# Allegro board RK_NVR_DEMO_RK3568_DDR4P216SD4_V12_20201221YWQ_final.brd (continued)
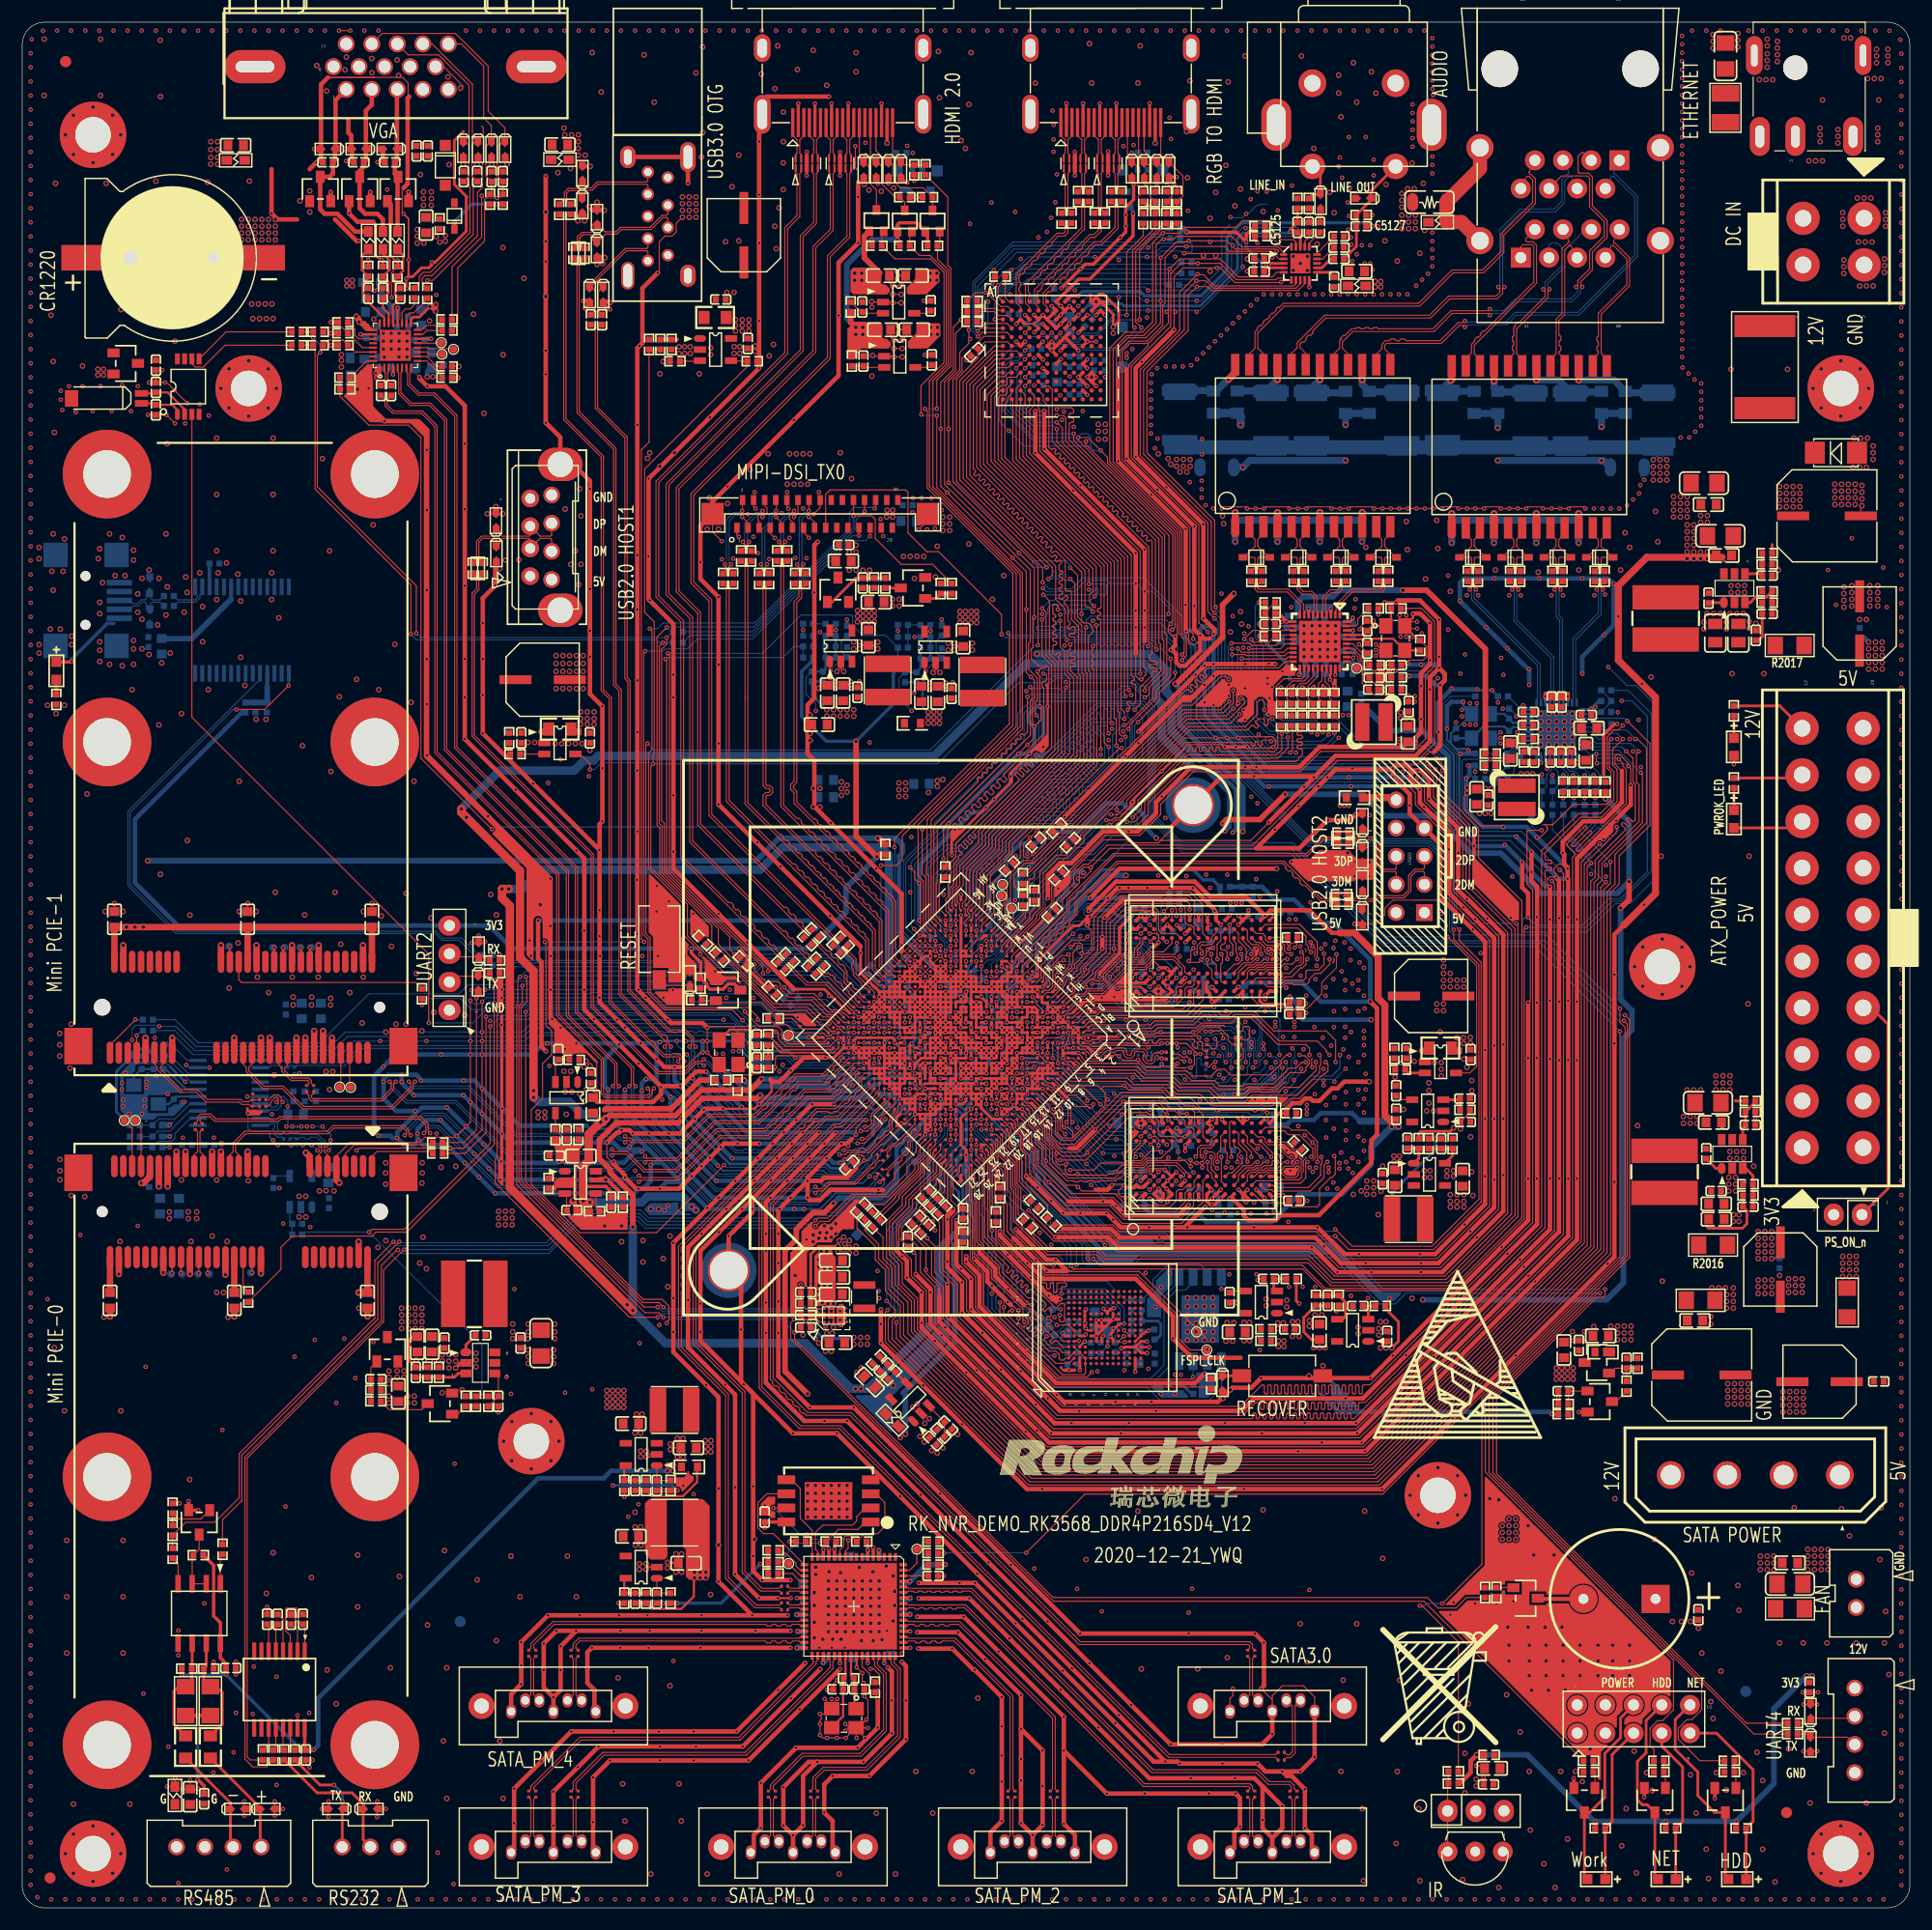
[diagram p0: board, top side]
## Routing (per net, layer and track width the routed paths; a pad name or vN(x,y) marks a point on that pad's centre or on a via; arc(x,y) is an arc through that point) (continued)
  BOTTOM w0.305: v1(104.14,68.15) 104.14,68.59 103.75,68.98 103.75,69.01 103.83,69.09 104.29,69.09 104.74,69.54 v1(104.79,69.54) 104.85,69.6 C3317.2 105.72,69.6 106.12,70 106.12,70.52 106.19,70.59 106.19,70.94 105.99,71.14 v1(105.99,71.19) ; v1(94.34,48.46) 94.19,48.61 C4009.2 ; 97.89,66.34 v1(98.48,66.34) 99.28,66.34 v1(99.58,66.04) ; v1(99.88,84.34) 99.59,84.63 99.59,84.82 99.09,85.32 ; C3343.2 101.69,72.3 101.69,72.05 v1(101.6,71.96) ; v1(101.59,83.82) 101.58,83.83 ; v1(91.94,83.03) 91.94,83.03 92.49,83.58 92.49,84.83 92.54,84.88 92.54,84.99 92.49,85.04 92.49,85.94 92.59,86.04 93.69,87.14 ; v1(103.92,81.84) 103.7,81.62 102.09,81.62 ; U3300.D2 v1(103.19,83.02) 103.59,83.42 ; 101.78,86.62 101.99,86.62 v1(102.39,87.02) ; 81.82,72.93 C1718.2
  BOTTOM w0.406: v1(74.42,68.68) 74.22,68.88 v1(72.29,68.88) v1(70.76,68.88) v1(69.34,68.88) v1(67.61,68.88) v1(64.47,68.88) v1(61.42,71.93) v1(59.28,74.07) 58.78,74.57 v1(58.78,75.79) ; v1(35.71,69.19) 36.12,68.78 38.25,68.78 v1(38.56,68.48) v1(39.88,67.16) v1(42.62,64.41) v1(49.83,64.41) 55.12,64.41 v1(55.52,64.82) 55.93,64.82 ; v1(35.71,69.19) 35.61,69.29 v1(35.61,69.8) 35.61,70.21 36.42,71.02 v1(37.68,71.02) v1(39.14,69.56) v1(40.72,67.98) v1(42.06,66.64) v1(43.07,65.63) v1(48.01,65.63) v1(49.78,65.63) v2(52.58,65.63) 54.1,65.63 v1(54.31,65.84) ; v1(35.71,69.19) 35.31,68.78 34.39,68.78 v1(33.78,69.39) ; 59.39,65.43 58.06,65.43 v1(57.45,64.82) 55.93,64.82 ; 59.39,65.43 v1(59.59,65.23) v1(61.72,63.09) 61.82,62.99 v1(63.45,62.99) v1(64.87,62.99) v1(65.79,62.99) v1(67.01,62.99) v1(68.22,62.99) v1(69.55,62.99) v1(70.46,62.99) ; 59.39,65.43 57.66,67.16 ; v1(106.14,114.71) 105.72,115.13 104.91,115.13 v1(104.86,115.07) ; v1(106.14,114.71) 106.53,114.32 v1(106.53,111.96) v1(106.53,108.66) 106.53,107.49 v1(108.56,105.46) v1(109.37,104.65) v1(111.2,102.82) 112.12,101.9 v1(116.38,101.9) v1(119.53,101.9) v1(123.49,101.9) 124.82,101.9 125.43,102.51 v1(125.73,102.51) 126.03,102.51 126.34,102.21 126.34,101.7 125.73,101.09 v1(119.74,101.09) v1(116.79,101.09) v1(112.32,101.09) 111.91,101.09 v1(111,102.01) v1(110.19,102.82) v1(108.36,104.65) v1(107.54,105.46) ; v1(106.14,114.71) 106.14,115.23 106.43,115.52 107.14,115.52 107.34,115.32 v1(107.34,114.81) v1(107.34,112.12) v1(107.34,111.05) v1(107.34,108.41) 107.34,107.7 v1(109.58,105.46) v1(110.39,104.65) 112.32,102.72 v1(119.84,102.72) v1(123.49,102.72) ; v1(105.99,82.14) 106.04,82.14 106.45,82.54 C3319.2 ; 55.93,64.82 56.64,65.53 v1(56.64,66.95) 56.85,67.16 57.66,67.16 ; 76.66,69.7 76.66,70.33 C1719.2 77.31,70.63 v1(77.77,71.09) ; 71.68,65.53 v1(70.76,65.53) v1(68.94,65.53) 67.51,65.53 v1(67.46,65.58) 67.41,65.53 v1(65.99,65.53) v1(62.53,65.53) v1(58.27,69.8) 55.82,72.25 v1(55.82,73.66) 55.82,74.31 v1(56.22,74.72) 56.8,74.72 57.15,74.37 ; v1(102.69,90.87) 102.53,91.03 97.66,91.03 ; v1(107.22,82.99) 107.07,82.99 106.75,82.67 C3319.2 ; 54.51,68.38 55.63,68.38 v1(55.83,68.17) ; 54.51,68.38 53.87,68.38 53.26,68.99 v1(52.68,68.99) 44.02,68.99 v1(43.22,69.79) v1(40.38,72.63) v1(39.76,73.25) v1(35.31,73.25) 34.19,74.37 v1(34.19,74.47) v1(34.19,75.08) ; 54.51,68.38 v1(54.74,68.61) 54.74,68.68 55.14,69.08 55.14,69.68 ; 57.15,77.93 v1(57.15,76.5) 57.15,74.37 ; 57.15,77.93 57.25,78.03 v1(57.45,78.03) ; 57.15,77.93 v1(55.73,77.93) 53.9,77.93 v1(53.8,77.83) ; v1(35.41,71.83) 35.71,71.83 36.02,72.14 v1(38.29,72.14) v1(40,70.43) v1(41.59,68.84) v1(43.15,67.28) 43.27,67.16 48.29,67.16 v1(48.39,67.26) v1(48.89,67.26) 49,67.16 53.19,67.16 v1(53.29,67.26) 53.39,67.16 54.2,67.16 55.22,68.17 v1(55.83,68.17) ; v1(35.41,71.83) 35.41,71.53 33.78,69.9 v1(33.78,69.39) ; v1(35.41,71.83) 33.68,71.83 32.56,72.95 v1(32.56,74.47) 32.56,74.68 32.97,75.08 v1(34.19,75.08) ; v1(80.82,89) 80.82,93.98 v1(84.02,97.18) 85.6,98.76 86.41,98.76 v1(86.82,99.16) v1(87.58,99.92) 89.05,101.4 v1(89.05,102.01) 90.17,103.12 90.88,103.12 92,104.24 v1(92,104.65) 92,108 v1(91.69,108.31) 91.39,108.31 90.68,107.59 90.68,106.98 v1(91.19,106.48) 91.19,104.55 90.78,104.15 v1(90.78,104.04) v1(89.76,104.04) v1(83.46,97.74) 83.06,97.33 83.06,97.23 ; v1(139.24,92.76) 138.33,92.76 v1(138.23,92.86) 138.23,92.96 v1(135.99,95.2) v1(134.62,96.57) ; v1(127.61,105.97) 127.56,106.02 127.56,108.64 128.75,109.83 v1(131.11,109.83) ; 57.15,74.37 v1(57.56,73.96) v1(58.41,73.11) ; v1(133.57,95.83) v1(135.15,94.25) 135.99,93.41 v1(135.99,93.37) 137.31,92.05 v1(137.66,92.05) ; v1(70.76,64.01) v1(67.41,64.01) v1(65.89,64.01) v1(62.74,64.01) 62.24,64.01 v1(60.31,65.95) v1(56.45,69.81) 54.31,71.95 v1(54.31,73.76) ; v1(33.78,69.39) 33.38,69.39 33.18,69.6 v1(32.11,69.6) 31.7,70 31.7,74.98 v1(32.54,75.82) 33.63,76.91 v1(37.74,76.91) v1(40.39,76.91) v1(41.44,76.91) 45.97,76.91 46.99,77.93 v1(47.29,77.93) v1(49.94,77.93) 53.7,77.93 v1(53.8,77.83) ; C3337.2 C3319.2 ; v1(53.8,77.83) 52.48,76.5 52.48,74.07 v1(52.78,73.76) 52.78,71.93 53.49,71.22 53.49,70.61 v1(54,70.1) 54.71,70.1 v1(55.02,69.8) 55.14,69.68 ; R6711.2 130.9,104.04 v1(129.59,104.04) ; v1(55.83,68.17) 56.08,68.43 56.39,68.43 ; v1(60.4,74.78) v1(63.14,72.03) 65.28,69.9 v1(68.63,69.9) v1(70.36,69.9) v1(71.78,69.9) v1(73.3,69.9) 74.93,69.9 v1(75.13,69.7) ; v1(62.68,66.91) v1(59.54,70.05) 58.41,71.18 v1(58.41,73.11) ; v1(124.26,110.36) 124.94,111.05 v1(124.97,111.05) 126.54,111.05 127.36,110.24 v1(127.76,110.24) 128.17,110.64 128.17,111.25 v1(127.66,111.76) 127.36,112.06 v1(126.03,112.06) 124.99,112.06 v1(124.84,112.22) ; 62.38,76.45 v1(66.4,72.44) v1(71.17,72.44) v1(73.1,72.44) ; v1(58.41,73.11) 58.51,73.01 58.51,73 58.72,73 v1(60.6,71.12) 60.6,70.92 v1(62.94,68.58) v1(63.96,67.56) v1(66.29,67.56) v1(68.02,67.56) v1(69.44,67.56) v1(70.97,67.56) v1(72.49,67.56) 72.69,67.56 73.1,67.16 v1(73.71,67.16) 73.81,67.16 v1(74.12,67.46) ; v1(85.04,67.86) 85.19,67.71 85.19,65.84 85.45,65.58 85.45,62.51 ; 50.85,70.51 44.8,70.51 v1(43.25,72.06) 40.74,74.57 v1(39.78,74.57) v1(35.92,74.57) 35.92,74.68 35.51,75.08 v1(34.19,75.08) ; 97.66,91.03 96.24,91.03 v1(96.23,91.03) 96.22,91.02 95.91,91.02 93.71,88.82 91.45,86.57 91.45,84.38 91.02,83.95 v1(91.02,83.95) 91.01,83.95 v1(90.56,83.49) ; 97.66,91.03 97.67,91.04 v1(97.8,91.04) ; 91.08,94.18 v1(90.69,93.79) 89.46,92.56 v1(89.46,90.83) ; v1(128.37,106.27) 128.37,108.31 128.78,108.71 v1(129.84,108.71) ; v1(61.32,77.11) v1(61.32,78.13) ; 55.14,69.68 56.39,68.43 ; 57.66,67.16 56.39,68.43 ; 133.39,95.71 v1(130.81,95.71) ; v1(61.62,75.39) v1(64.82,72.19) 65.99,71.02 v1(69.75,71.02) v1(71.53,71.02) v1(76.05,71.02) ; C4304.2 v1(103.86,46.34) C4305.2 ; v1(135.79,110.24) 135.79,111.56 v1(133.81,113.54) v1(131.93,115.42) v1(129.54,117.81) 129.54,119.46 129.92,119.84 v1(132.64,119.84) v1(136.7,119.84) v1(140.56,119.84) 142.88,119.84 143.38,119.33 143.38,115.6 v1(142.54,114.76) 140.56,112.78 v1(140.56,111.25) ; v1(139.24,93.68) 139.24,93.73 v1(136.48,96.5) 135.54,97.43 v1(133.45,97.43) 131.62,97.43 130.1,98.96 v1(130.1,101.8) 130.4,102.11 130.4,102.87 v1(130.3,102.97) R6719.2
  BOTTOM w0.635: C6727.2 v2(128.8,123.04) ; C6825.2 v2(109.3,123.14) ; C6828.2 v2(113.11,123.14) ; C6728.2 v2(136.42,123.04) ; C6827.2 v2(120.73,123.14) ; C6725.2 v2(140.23,123.04) ; C6826.2 v2(116.92,123.14) ; C6726.2 v2(132.61,123.04)
  BOTTOM w1.27: D6707.2 139.55,131.66 ; 139.55,131.66 135.84,131.66 ; 139.55,131.66 D6708.2 ; 135.84,131.66 D6705.2 D6808.2 D6807.2 D6806.2 104.39,131.66 D6805.2 ; 135.84,131.66 D6706.2
  vias: v1(0.76,167.17) v1(0.76,165.9) v1(0.76,164.63) v1(0.76,163.36) v1(0.76,162.09) v1(0.76,160.82) v1(0.76,159.55) v1(0.76,158.28) v1(0.76,157.01) v1(0.76,155.74) v1(0.76,154.47) v1(0.76,153.2) v1(0.76,151.93) v1(0.76,150.66) v1(0.76,149.39) v1(0.76,148.12) v1(0.76,146.85) v1(0.76,145.58) v1(0.76,144.31) v1(0.76,143.04) v1(0.76,141.77) v1(0.76,140.5) v1(0.76,139.23) v1(0.76,137.96) v1(0.76,136.69) v1(0.76,135.42) v1(0.76,134.15) v1(0.76,132.88) v1(0.76,131.61) v1(0.76,130.34) v1(0.76,129.07) v1(0.76,127.8) v1(0.76,126.53) v1(0.76,125.26) v1(0.76,123.99) v1(0.76,122.72) v1(0.76,121.45) v1(0.76,120.18) v1(0.76,118.91) v1(0.76,117.64) v1(0.76,116.37) v1(0.76,115.1) v1(0.76,113.83) v1(0.76,112.56) v1(0.76,111.29) v1(0.76,110.02) v1(0.76,108.75) v1(0.76,107.48) v1(0.76,106.21) v1(0.76,104.94) v1(0.76,103.67) v1(0.76,102.4) v1(0.76,101.13) v1(0.76,99.86) v1(0.76,98.59) v1(0.76,97.32) v1(0.76,96.05) v1(0.76,94.78) v1(0.76,93.51) v1(0.76,92.24) v1(0.76,90.97) v1(0.76,89.7) v1(0.76,88.43) v1(0.76,87.16) v1(0.76,85.89) v1(0.76,84.62) v1(0.76,83.35) v1(0.76,82.08) v1(0.76,80.81) v1(0.76,79.54) v1(0.76,78.27) v1(0.76,77) v1(0.76,75.73) v1(0.76,74.46) v1(0.76,73.19) v1(0.76,71.92) v1(0.76,70.65) v1(0.76,69.38) v1(0.76,68.11) v1(0.76,66.84) v1(0.76,65.57) v1(0.76,64.3) v1(0.76,63.03) v1(0.76,61.76) v1(0.76,60.49) v1(0.76,59.22) v1(0.76,57.95) v1(0.76,56.68) v1(0.76,55.41) v1(0.76,54.14) v1(0.76,52.87) v1(0.76,51.6) v1(0.76,50.33) v1(0.76,49.06) v1(0.76,47.79) v1(0.76,46.52) v1(0.76,45.25) v1(0.76,43.98) v1(0.76,42.71) v1(0.76,41.44) v1(0.76,40.17) v1(0.76,38.9) v1(0.76,37.63) v1(0.76,36.36) v1(0.76,35.09) v1(0.76,33.82) v1(0.76,32.55) v1(0.76,31.28) v1(0.76,30.01) v1(0.76,28.74) v1(0.76,27.47) v1(0.76,26.2) v1(0.76,24.93) v1(0.76,23.66) v1(0.76,22.39) v1(0.76,21.12) v1(0.76,19.85) v1(0.76,18.58) v1(0.76,17.31) v1(0.76,16.04) v1(0.76,14.77) v1(0.76,13.5) v1(0.76,12.23) v1(0.76,10.96) v1(0.76,9.69) v1(0.76,8.42) v1(0.76,7.15) v1(0.76,5.88) v1(0.76,4.61) v1(0.76,3.34) v1(0.76,2.07) v1(0.86,168.44) v1(1.36,0.95) v1(1.88,169.21) v1(2.29,54.86) v1(2.62,0.76) v1(3.15,169.21) v1(3.48,136.75) v1(3.48,135.94) v1(3.61,135.03) v1(3.89,0.76) v1(4.22,137.16) v1(4.42,169.21) v1(4.83,134.82) v1(5.16,0.76) v1(5.23,60.66) v1(5.44,137.16) v1(5.69,169.21) v1(6.35,134.92) v1(6.43,0.76) v1(6.96,169.21) v1(7.06,137.16) v1(7.7,0.76) v1(8.08,134.92) v1(8.23,169.21) v1(8.99,137.26) v1(8.99,74.37) v1(8.99,73.76) v1(8.97,0.76) v1(9.09,72.85) v1(9.09,72.24) v1(9.3,75.29) v1(9.5,169.21) v1(9.65,71.58) v1(9.8,134.92) v1(10.24,0.76) v1(10.41,137.16) v1(10.41,61.47) v1(10.77,169.21) v1(10.79,71.58) v1(10.92,19.3) v1(11.02,72.85) v1(11.02,72.24) v1(11.13,48.77) v1(11.2,74.47) v1(11.2,73.96) v1(11.51,0.76) v1(12.04,169.21) v1(12.06,75.01) v1(12.78,0.76) v1(13.13,73.36) v1(13.16,14.53) v1(13.31,169.21) v1(14.07,24.99) v1(14.07,22.76) v1(14.07,2.24) v1(14.05,0.76) v1(14.48,69.42) v1(14.58,169.21) v1(14.68,133.81) v1(15.32,0.76) v1(15.85,169.21) v1(16,135.53) v1(16.41,27.43) v1(16.59,0.76) v1(16.81,134.52) v1(17.12,169.21) v1(17.22,12.19) v1(17.27,69.42) v1(17.32,9.96) v1(17.86,0.76) v1(18.03,43.08) v1(18.39,169.21) v1(18.44,3.45) v1(19.05,14.02) v1(19.13,0.76) v1(19.25,17.58) v1(19.66,169.21) v1(20.4,0.76) v1(20.78,17.48) v1(20.93,169.21) v1(20.88,21.74) v1(21.67,0.76) v1(22.2,169.21) v1(22.5,71.53) v1(22.91,20.83) v1(22.91,11.07) v1(22.94,0.76) v1(23.47,169.21) v1(23.52,61.67) v1(23.72,36.17) v1(24.21,0.76) v1(24.54,49.68) v1(24.74,169.21) v1(25.48,0.76) v1(25.86,17.58) v1(26.01,169.21) v1(25.96,61.37) v1(26.37,51.21) v1(26.75,0.76) v1(27.28,169.21) v1(28.02,0.76) v1(28.3,45.52) v1(29.01,51.31) v1(29.29,0.76) v1(30.02,47.75) v1(30.56,0.76) v1(30.83,169.21) v1(31.65,51) v1(31.83,0.76) v1(32.1,169.21) v1(32.89,154.89) v1(33.1,0.76) v1(34.37,0.76) v1(35.64,0.76) v1(36.91,0.76) v1(37.31,145.39) v1(37.34,69.8) v1(37.44,4.98) v1(38.18,0.76) v1(38.86,2.13) v1(38.96,40.03) v1(39.45,0.76) v1(39.98,169.21) v1(40.72,0.76) v1(41.15,65.86) v1(41.25,169.21) v1(41.99,0.76) v1(42.16,79.96) v1(42.52,169.21) v1(43.18,79.58) v1(43.26,0.76) v1(43.64,47.85) v1(43.79,169.21) v1(44.04,46.33) v1(44.35,55.78) v1(44.53,0.76) v1(45.06,169.21) v1(45.72,87.2) v1(45.8,0.76) v1(45.85,85.8) v1(46.33,169.21) v1(47.07,0.76) v1(47.4,101.4) v1(47.5,75.9) v1(47.6,169.21) v1(47.62,85.8) v1(48.34,0.76) v1(48.51,103.53) v1(48.87,169.21) v1(48.89,77.42) v1(48.92,46.43) v1(49.61,0.76) v1(50.14,169.21) v1(50.88,0.76) v1(51.05,102.01) v1(51.41,169.21) v1(51.36,46.74) v1(52.07,85.8) v1(52.15,0.76) v1(52.68,169.21) v1(53.42,0.76) v1(53.95,169.21) v1(54.61,35.26) v1(54.69,0.76) v1(55.22,169.21) v1(55.22,66.45) v1(55.37,92.66) v1(55.52,36.37) v1(55.63,50.9) v1(55.88,85.8) v1(55.96,0.76) v1(56.49,169.21) v1(57.18,92.12) v1(57.15,89.81) v1(57.23,0.76) v1(57.28,85.8) v1(57.4,52.53) v1(57.66,72.85) v1(57.76,169.21) v1(57.86,62.89) v1(58.17,63.32) v1(58.27,90.73) v1(58.5,0.76) v1(58.67,22.25) v1(59.03,169.21) v1(59.56,38.05) v1(59.69,85.8) v1(59.77,0.76) v1(60.3,169.21) v1(60.45,89.61) v1(60.5,37.29) v1(61.04,0.76) v1(61.57,169.21) v1(62.31,0.76) v1(62.53,76.99) v1(62.84,169.21) v1(63.04,121.56) v1(63.14,76.99) v1(63.45,82.04) v1(63.58,0.76) v1(63.75,82.76) v1(64.11,169.21) v1(64.05,121.63) v1(64.06,77.22) v1(64.57,77.22) v1(64.85,0.76) v1(65.38,169.21) v1(65.38,125.62) v1(65.88,123.59) v1(65.89,82.04) v1(65.99,127.61) v1(66.12,0.76) v1(66.29,122.12) v1(66.24,96.04) v1(66.65,169.21) v1(67.31,121.58) v1(67.39,0.76) v1(67.92,169.21) v1(68.22,75.39) v1(68.42,125.72) v1(68.53,76) v1(68.66,0.76) v1(68.94,127.61) v1(69.19,169.21) v1(69.14,123.49) v1(69.66,121.69) v1(69.93,0.76) v1(70.36,126.13) v1(70.46,169.21) v1(70.66,121.66) v1(70.66,60.25) v1(71.2,0.76) v1(71.73,169.21) v1(71.78,127.61) v1(71.83,23.44) v1(71.94,82.33) v1(72.47,0.76) v1(72.72,79.7) v1(72.8,110.87) v1(73,169.21) v1(72.95,23.44) v1(73.74,0.76) v1(74.12,23.44) v1(74.27,169.21) v1(75.01,0.76) v1(75.54,169.21) v1(75.98,159.11) v1(75.98,157.99) v1(76.28,0.76) v1(76.35,105.05) v1(76.81,169.21) v1(76.96,93.68) v1(77.06,57.4) v1(77.17,55.61) v1(77.22,54.94) v1(77.34,125.17) v1(77.37,50.9) v1(77.57,123.65) v1(77.55,0.76) v1(77.93,24.97) v1(78.08,169.21) v1(78.82,0.76) v1(78.9,115.11) v1(79.35,169.21) v1(79.74,158.83) v1(80.01,91.54) v1(80.11,96.52) v1(80.09,0.76) v1(80.21,125.81) v1(80.25,158.19) v1(80.26,127.08) v1(80.62,169.21) v1(81.03,127.08) v1(81.2,110.79) v1(81.36,0.76) v1(81.53,124.26) v1(81.67,66.62) v1(81.79,110.44) v1(81.79,109.83) v1(81.89,169.21) v1(81.91,127.08) v1(82.25,124.36) v1(82.25,61.06) v1(82.63,0.76) v1(82.85,125.98) v1(82.85,51.61) v1(83.03,91.33) v1(83.16,169.21) v1(83.9,0.76) v1(84.43,169.21) v1(85.17,0.76) v1(85.39,151.79) v1(85.39,141.43) v1(85.7,169.21) v1(86.44,0.76) v1(86.97,169.21) v1(87.33,153.72) v1(87.71,0.76) v1(87.83,65.74) v1(88.24,169.21) v1(89,145.44) v1(88.98,0.76) v1(89.51,169.21) v1(89.46,152.88) v1(89.53,94.82) v1(89.97,148.64) v1(90.25,0.76) v1(90.47,109.68) v1(90.78,169.21) v1(91.16,139.67) v1(91.19,137.24) v1(91.19,30.58) v1(91.52,0.76) v1(91.57,150.57) v1(91.69,60.86) v1(91.9,116.64) v1(91.9,53.24) v1(91.9,51.92) v1(92.05,169.21) v1(92.33,151.08) v1(92.71,152.35) v1(92.71,59.77) v1(92.79,0.76) v1(92.84,162) v1(92.93,160.73) v1(92.93,159.41) v1(92.93,158.29) v1(93.02,53.24) v1(93.09,153.75) v1(93.23,156.26) v1(93.32,169.21) v1(93.34,91.9) v1(93.52,136.35) v1(93.52,116.56) v1(93.68,134.14) v1(93.85,134.87) v1(93.93,113.79) v1(94.03,110.49) v1(94.06,0.76) v1(94.39,138.05) v1(94.59,169.21) v1(94.74,133.5) v1(95.08,70.34) v1(95.05,28.75) v1(95.33,0.76) v1(95.55,134.92) v1(95.86,169.21) v1(96.12,118.82) v1(96.49,81.81) v1(96.6,0.76) v1(96.88,48.36) v1(97.13,169.21) v1(97.18,103.94) v1(97.28,26.72) v1(97.56,137.99) v1(97.89,105.26) v1(97.87,0.76) v1(98.2,106.27) v1(98.4,169.21) v1(98.4,82.09) v1(98.4,67.77) v1(98.7,137.97) v1(98.81,148.54) v1(98.81,145.19) v1(99.01,105.26) v1(99.23,158.8) v1(99.21,106.04) v1(99.14,0.76) v1(99.26,85.17) v1(99.31,48.46) v1(99.44,151.59) v1(99.59,86.18) v1(99.67,169.21) v1(99.92,109.32) v1(99.96,158.19) v1(100.03,140.51) v1(100.03,99.67) v1(100.14,158.9) v1(100.41,0.76) v1(100.94,169.21) v1(101.22,57.23) v1(101.35,143.36) v1(101.47,48.59) v1(101.7,137.48) v1(101.7,136.72) v1(101.7,135.96) v1(101.7,135.19) v1(101.7,134.43) v1(101.7,133.67) v1(101.7,132.91) v1(101.68,0.76) v1(101.76,138.24) v1(102.06,131.57) v1(102.11,54.18) v1(102.21,169.21) v1(102.26,138.79) v1(102.3,132.44) v1(102.36,93.07) v1(102.39,84.62) v1(102.62,55.96) v1(102.62,46.3) v1(103,98.25) v1(102.95,0.76) v1(103.04,138.94) v1(103.38,161.37) v1(103.38,57.23) v1(103.48,169.21) v1(103.5,159.46) v1(103.81,138.94) v1(103.89,148.84) v1(103.89,143.87) v1(104.11,77.55) v1(104.09,76.1) v1(104.22,0.76) v1(104.57,138.94) v1(104.75,169.21) v1(104.9,93.01) v1(105.03,152.98) v1(105.11,26.62) v1(105.21,128.52) v1(105.32,139.06) v1(105.41,28.75) v1(105.49,0.76) v1(105.82,144.86) v1(105.82,143.87) v1(105.86,139.6) v1(106.02,169.21) v1(106.3,132.41) v1(106.3,131.01) v1(106.27,128.64) v1(106.27,127.88) v1(106.27,127.12) v1(106.4,140.13) v1(106.62,126.44) v1(106.68,93.14) v1(106.73,78.23) v1(106.76,0.76) v1(106.94,140.67) v1(107.04,150.16) v1(107.04,91.95) v1(107.23,62.89) v1(107.29,169.21) v1(107.32,126.14) v1(107.48,141.21) v1(108.02,141.75) v1(108.03,0.76) v1(108.05,118.47) v1(108.33,62.69) v1(108.56,169.21) v1(108.55,142.29) v1(108.58,93.14) v1(108.71,110.24) v1(108.71,109.25) v1(108.76,57.1) v1(109.01,113.49) v1(109.07,149.86) v1(109.09,142.83) v1(109.07,116.43) v1(109.3,0.76) v1(109.48,62.6) v1(109.63,143.37) v1(109.57,108.59) v1(109.83,169.21) v1(110.03,113.59) v1(110.11,114.88) v1(110.05,107.97) v1(110.17,143.91) v1(110.19,109.93) v1(110.19,107.09) v1(110.24,151.41) v1(110.36,147.52) v1(110.49,115.52) v1(110.57,0.76) v1(110.69,154.03) v1(110.71,144.44) v1(110.69,62.59) v1(110.74,100.15) v1(111,148.16) v1(111,63.58) v1(111.1,169.21) v1(111.18,92.74) v1(111.2,57.1) v1(111.3,154.74) v1(111.25,144.98) v1(111.3,99.57) v1(111.3,68.45) v1(111.4,105.77) v1(111.46,115.72) v1(111.51,91.14) v1(111.51,50.29) v1(111.86,145.44) v1(111.84,0.76) v1(112.13,154.7) v1(112.12,62.59) v1(112.22,110.85) v1(112.22,110.34) v1(112.32,112.17) v1(112.32,107.59) v1(112.37,169.21) v1(112.62,145.44) v1(112.62,110.03) v1(112.78,62.81) v1(113.13,153.01) v1(113.08,91.64) v1(113.11,0.76) v1(113.38,145.44) v1(113.64,169.21) v1(113.96,106.01) v1(114.08,61.84) v1(114.14,145.44) v1(114.15,89.1) v1(114.15,55.98) v1(114.25,66.45) v1(114.4,155.24) v1(114.35,117.25) v1(114.38,0.76) v1(114.63,79.86) v1(114.76,104.14) v1(114.76,89.1) v1(114.91,169.21) v1(114.91,145.44) v1(115.35,110.02) v1(115.37,55.98) v1(115.67,145.44) v1(115.69,82.22) v1(115.68,81.54) v1(115.65,0.76) v1(115.78,63.74) v1(115.77,22.15) v1(115.98,28.65) v1(116.08,90.63) v1(116.18,169.21) v1(116.32,110.02) v1(116.28,66.34) v1(116.43,145.44) v1(116.48,55.98) v1(116.69,105.77) v1(116.92,0.76) v1(117.19,145.44) v1(117.25,74.57) v1(117.25,74.14) v1(117.4,86.87) v1(117.45,169.21) v1(117.59,64.84) v1(117.7,66.32) v1(117.95,145.44) v1(118.14,65.39) v1(118.19,0.76) v1(118.31,87.17) v1(118.49,64.84) v1(118.62,156.97) v1(118.72,169.21) v1(118.72,157.78) v1(118.72,145.44) v1(118.72,99.34) v1(118.69,67.13) v1(118.92,155.96) v1(119,107.52) v1(119.13,99.34) v1(119.14,87.02) v1(119.2,81.02) v1(119.29,67.24) v1(119.43,153.72) v1(119.43,145.49) v1(119.48,151.28) v1(119.51,107.52) v1(119.46,0.76) v1(119.53,159.61) v1(119.53,152.5) v1(119.53,99.34) v1(119.53,76.71) v1(119.63,155.04) v1(119.69,86.47) v1(119.74,150.57) v1(119.76,149.94) v1(119.74,78.94) v1(119.74,55.17) v1(119.84,148.44) v1(119.84,83.31) v1(119.89,66.24) v1(119.99,169.21) v1(120.04,117.14) v1(120.14,117.96) v1(120.24,149.05) v1(120.24,145.44) v1(120.39,67.24) v1(120.49,85.22) v1(120.7,149.86) v1(120.73,0.76) v1(120.89,84.73) v1(120.89,82.22) v1(120.89,79.04) v1(120.89,78.4) v1(120.89,77.77) v1(120.89,76.88) v1(120.89,72.94) v1(120.89,71.69) v1(120.89,69.14) v1(120.9,68.24) v1(120.95,148.23) v1(121,145.44) v1(120.95,81.08) v1(121.06,159.61) v1(121.06,155.35) v1(121.06,75.18) v1(121.06,73.76) v1(121.26,169.21) v1(121.26,54.97) v1(121.41,98.5) v1(121.46,149.86) v1(121.46,148.23) v1(121.67,152.6) v1(121.67,147.65) v1(121.77,157.58) v1(121.77,156.16) v1(121.76,145.44) v1(122,0.76) v1(122.17,151.59) v1(122.53,169.21) v1(122.53,145.44) v1(123.29,145.44) v1(123.27,0.76) v1(123.8,169.21) v1(124,105.36) v1(123.95,104.85) v1(124.05,145.44) v1(124.21,76.15) v1(124.54,0.76) v1(124.81,145.44) v1(124.92,109.27) v1(125.07,169.21) v1(125.27,162.57) v1(125.27,161.81) v1(125.27,161.05) v1(125.27,160.28) v1(125.27,159.52) v1(125.27,158.76) v1(125.48,109.22) v1(125.48,108.71) v1(125.6,146.22) v1(125.81,0.76) v1(126.11,114.88) v1(126.14,146.76) v1(126.34,169.21) v1(126.67,147.3) v1(126.85,115.82) v1(127.05,168.54) v1(127.05,167.78) v1(127.05,167.01) v1(127.05,166.25) v1(127.05,165.49) v1(127.05,164.73) v1(127.05,163.97) v1(127.13,163.4) v1(127.05,157.87) v1(127.05,157.11) v1(127.05,156.35) v1(127.05,151.01) v1(127.05,150.25) v1(127.05,149.49) v1(127.05,148.73) v1(127.05,147.96) v1(127.08,0.76) v1(127.86,89.61) v1(128.35,0.76) v1(128.47,120.09) v1(128.47,115.21) v1(128.68,26.42) v1(128.78,109.93) v1(128.98,27.53) v1(129.18,106.86) v1(129.59,111.25) v1(129.62,0.76) v1(130,112.98) v1(130.18,118.31) v1(130.91,27.43) v1(130.89,0.76) v1(131.19,118.31) v1(131.42,86.06) v1(132.16,0.76) v1(132.28,103.52) v1(133.25,112.67) v1(133.43,0.76) v1(133.45,111.15) v1(133.98,118.31) v1(134.11,89.23) v1(134.26,92.96) v1(134.7,0.76) v1(135.02,118.31) v1(135.79,111.66) v1(135.97,0.76) v1(137.24,0.76) v1(137.79,118.31) v1(138.51,0.76) v1(138.83,118.31) v1(139.7,51.13) v1(139.78,0.76) v1(140.79,51.08) v1(141.05,0.76) v1(141.37,93.18) v1(141.61,126.14) v1(141.66,118.31) v1(142.32,0.76) v1(142.37,126.14) v1(142.49,96.32) v1(142.62,118.38) v1(142.7,93.98) v1(142.7,92.96) v1(143.14,126.14) v1(143.41,119.38) v1(143.59,0.76) v1(143.71,105.36) v1(143.64,97.99) v1(143.76,107.77) v1(143.9,126.14) v1(144.61,126.42) v1(144.83,105.36) v1(144.86,0.76) v1(145.15,126.96) v1(145.14,104.24) v1(145.68,127.49) v1(145.64,107.09) v1(145.8,128.25) v1(145.85,102.83) v1(146.13,0.76) v1(147.4,0.76) v1(148.67,0.76) v1(149.44,132.54) v1(149.56,168.75) v1(149.56,167.98) v1(149.56,167.22) v1(149.56,166.46) v1(149.56,165.7) v1(149.56,164.94) v1(149.56,164.17) v1(149.56,163.41) v1(149.56,162.65) v1(149.56,161.89) v1(149.56,161.13) v1(149.56,160.36) v1(149.56,159.6) v1(149.56,158.84) v1(149.56,158.08) v1(149.56,157.32) v1(149.56,156.55) v1(149.56,155.79) v1(149.56,155.03) v1(149.56,154.27) v1(149.56,153.51) v1(149.56,152.74) v1(149.56,151.98) v1(149.56,151.22) v1(149.56,150.46) v1(149.56,149.7) v1(149.56,148.93) v1(149.56,148.17) v1(149.56,147.41) v1(149.56,146.65) v1(149.56,145.89) v1(149.56,145.12) v1(149.56,144.36) v1(149.56,143.6) v1(149.56,142.84) v1(149.56,142.08) v1(149.56,141.31) v1(149.56,140.55) v1(149.56,139.79) v1(149.6,138.85) v1(149.94,0.76) v1(150.14,138.31) v1(150.2,132.54) v1(150.47,169.21) v1(150.68,137.77) v1(150.75,133.07) v1(151.21,0.76) v1(151.28,137.42) v1(151.28,136.66) v1(151.28,135.89) v1(151.28,135.13) v1(151.28,134.37) v1(151.28,133.61) v1(151.74,169.21) v1(152.48,0.76) v1(153.01,169.21) v1(153.75,0.76) v1(155.02,0.76) v1(155.55,169.21) v1(156.29,0.76) v1(156.82,169.21) v1(157.56,0.76) v1(158.09,169.21) v1(158.83,0.76) v1(159.36,169.21) v1(160.1,0.76) v1(160.63,169.21) v1(161.37,0.76) v1(161.9,169.21) v1(162.71,120.6) v1(162.64,0.76) v1(163.17,169.21) v1(163.42,117.45) v1(163.91,0.76) v1(164.44,169.21) v1(164.85,123.44) v1(165.18,0.76) v1(165.71,169.21) v1(166.45,0.76) v1(166.98,169.21) v1(167.69,120.8) v1(167.72,0.76) v1(168,117.25) v1(168.25,169.2) v1(169.23,168.4) v1(169.32,167.13) v1(169.32,165.86) v1(169.32,164.59) v1(169.32,163.32) v1(169.32,162.05) v1(169.32,160.78) v1(169.32,159.51) v1(169.32,158.24) v1(169.32,156.97) v1(169.32,155.7) v1(169.32,154.43) v1(169.32,153.16) v1(169.32,151.89) v1(169.32,150.62) v1(169.32,149.35) v1(169.32,148.08) v1(169.32,146.81) v1(169.32,145.54) v1(169.32,144.27) v1(169.32,143) v1(169.32,141.73) v1(169.32,140.46) v1(169.32,139.19) v1(169.32,137.92) v1(169.32,136.65) v1(169.32,135.38) v1(169.32,134.11) v1(169.32,132.84) v1(169.32,131.57) v1(169.32,130.3) v1(169.32,129.03) v1(169.32,127.76) v1(169.32,126.49) v1(169.32,125.22) v1(169.32,123.95) v1(169.32,122.68) v1(169.32,121.41) v1(169.32,120.14) v1(169.32,118.87) v1(169.32,117.6) v1(169.32,116.33) v1(169.32,115.06) v1(169.32,113.79) v1(169.32,112.52) v1(169.32,111.25) v1(169.32,109.98) v1(169.32,108.71) v1(169.32,107.44) v1(169.32,106.17) v1(169.32,104.9) v1(169.32,103.63) v1(169.32,102.36) v1(169.32,101.09) v1(169.32,99.82) v1(169.32,98.55) v1(169.32,97.28) v1(169.32,96.01) v1(169.32,94.74) v1(169.32,93.47) v1(169.32,92.2) v1(169.32,90.93) v1(169.32,89.66) v1(169.32,88.39) v1(169.32,87.12) v1(169.32,85.85) v1(169.32,84.58) v1(169.32,83.31) v1(169.32,82.04) v1(169.32,80.77) v1(169.32,79.5) v1(169.32,78.23) v1(169.32,76.96) v1(169.32,75.69) v1(169.32,74.42) v1(169.32,73.15) v1(169.32,71.88) v1(169.32,70.61) v1(169.32,69.34) v1(169.32,68.07) v1(169.32,66.8) v1(169.32,65.53) v1(169.32,64.26) v1(169.32,62.99) v1(169.32,61.72) v1(169.32,60.45) v1(169.32,59.18) v1(169.32,57.91) v1(169.32,56.64) v1(169.32,55.37) v1(169.32,54.1) v1(169.32,52.83) v1(169.32,51.56) v1(169.32,50.29) v1(169.32,49.02) v1(169.32,47.75) v1(169.32,46.48) v1(169.32,45.21) v1(169.32,43.94) v1(169.32,42.67) v1(169.32,41.4) v1(169.32,40.13) v1(169.32,38.86) v1(169.32,37.59) v1(169.32,36.32) v1(169.32,35.05) v1(169.32,33.78) v1(169.32,32.51) v1(169.32,31.24) v1(169.32,29.97) v1(169.32,28.7) v1(169.32,27.43) v1(169.32,26.16) v1(169.32,24.89) v1(169.32,23.62) v1(169.32,22.35) v1(169.32,21.08) v1(169.32,19.81) v1(169.32,18.54) v1(169.32,17.27) v1(169.32,16) v1(169.32,14.73) v1(169.32,13.46) v1(169.32,12.19) v1(169.32,10.92) v1(169.32,9.65) v1(169.32,8.38) v1(169.32,7.11) v1(169.32,5.84) v1(169.32,4.57) v1(169.32,3.3) v1(169.32,2.03) v2(1.52,122.63) v2(1.52,121.62) v2(1.52,113.87) v2(1.52,113.11) v2(1.98,168.45) v2(1.98,163.37) v2(2.29,108.41) v2(2.59,143.56) v2(2.54,115.27) v2(2.67,120.47) v2(2.79,139.4) v2(2.79,123.85) v2(2.79,118.77) v2(2.9,132.99) v2(2.9,50.5) v2(3,155.45) v2(3.05,107.65) v2(3.43,115.27) v2(3.38,78.82) v2(3.38,77.8) v2(3.38,76.78) v2(3.4,67.46) v2(3.4,66.45) v2(3.4,65.63) v2(3.68,120.47) v2(3.81,123.39) v2(3.81,108.41) v2(3.81,44.81) v2(3.88,159.82) v2(3.88,4.88) v2(4.01,33.12) v2(4.01,28.04) v2(4.01,22.96) v2(4.32,75.69) v2(4.42,79.65) v2(4.42,64.21) v2(4.44,114.63) v2(4.44,113.87) v2(4.61,161.59) v2(4.61,158.05) v2(4.62,9.35) v2(4.61,6.65) v2(4.61,3.11) v2(5.44,138.99) v2(5.64,64.11) v2(5.84,100.41) v2(6.38,162.32) v2(6.38,157.32) v2(6.38,7.38) v2(6.38,2.38) v2(6.86,121.62) v2(6.98,122.5) v2(6.98,117.68) v2(6.98,116.66) v2(6.98,114.12) v2(6.98,113.36) v2(6.98,112.34) v2(7.06,168.45) v2(7.06,163.37) v2(7.24,119.46) v2(7.37,53.24) v2(7.47,89.81) v2(7.57,155.45) v2(7.87,123.85) v2(7.87,112.09) v2(8.15,161.59) v2(8.15,158.05) v2(8.15,6.65) v2(8.15,3.11) v2(8.38,120.09) v2(8.59,150.98) v2(8.81,60.07) v2(8.88,159.82) v2(8.89,144.07) v2(8.89,44.81) v2(8.88,4.88) v2(9.02,123.52) v2(9.02,111.96) v2(9.09,89.81) v2(9.09,33.12) v2(9.09,28.04) v2(9.09,22.96) v2(9.27,120.09) v2(9.7,9.35) v2(9.91,109.8) v2(10.03,122.38) v2(10.03,121.49) v2(10.03,114.25) v2(10.03,113.49) v2(10.03,112.09) v2(10.41,118.44) v2(10.41,116.79) v2(10.79,119.84) v2(10.79,116.15) v2(10.79,113.49) v2(11.43,120.6) v2(11.43,112.98) v2(12.04,155.65) v2(12.19,115.65) v2(12.32,119.84) v2(12.32,106.63) v2(12.45,168.35) v2(12.45,163.27) v2(12.45,93.17) v2(12.57,112.22) v2(12.95,123.85) v2(12.95,116.54) v2(13.06,131.98) v2(13.08,119.08) v2(13.26,62.74) v2(13.26,62.13) v2(13.33,113.11) v2(13.77,152.91) v2(13.77,141.22) v2(14.17,150.27) v2(14.35,107.65) v2(14.35,65.61) v2(14.6,116.79) v2(14.73,119.96) v2(14.86,118.57) v2(14.88,96.22) v2(14.96,62.74) v2(14.96,62.13) v2(15.11,89.48) v2(15.09,38.61) v2(15.21,60.07) v2(15.72,62.74) v2(15.72,62.13) v2(15.9,143.97) v2(16,120.35) v2(16.26,117.3) v2(16.26,114.12) v2(16.71,155.55) v2(16.76,109.8) v2(16.99,159.21) v2(16.99,158.5) v2(16.99,157.78) v2(16.99,157.18) 